# KiCad board I2CShimForPico-panel.kicad_pcb (continued)
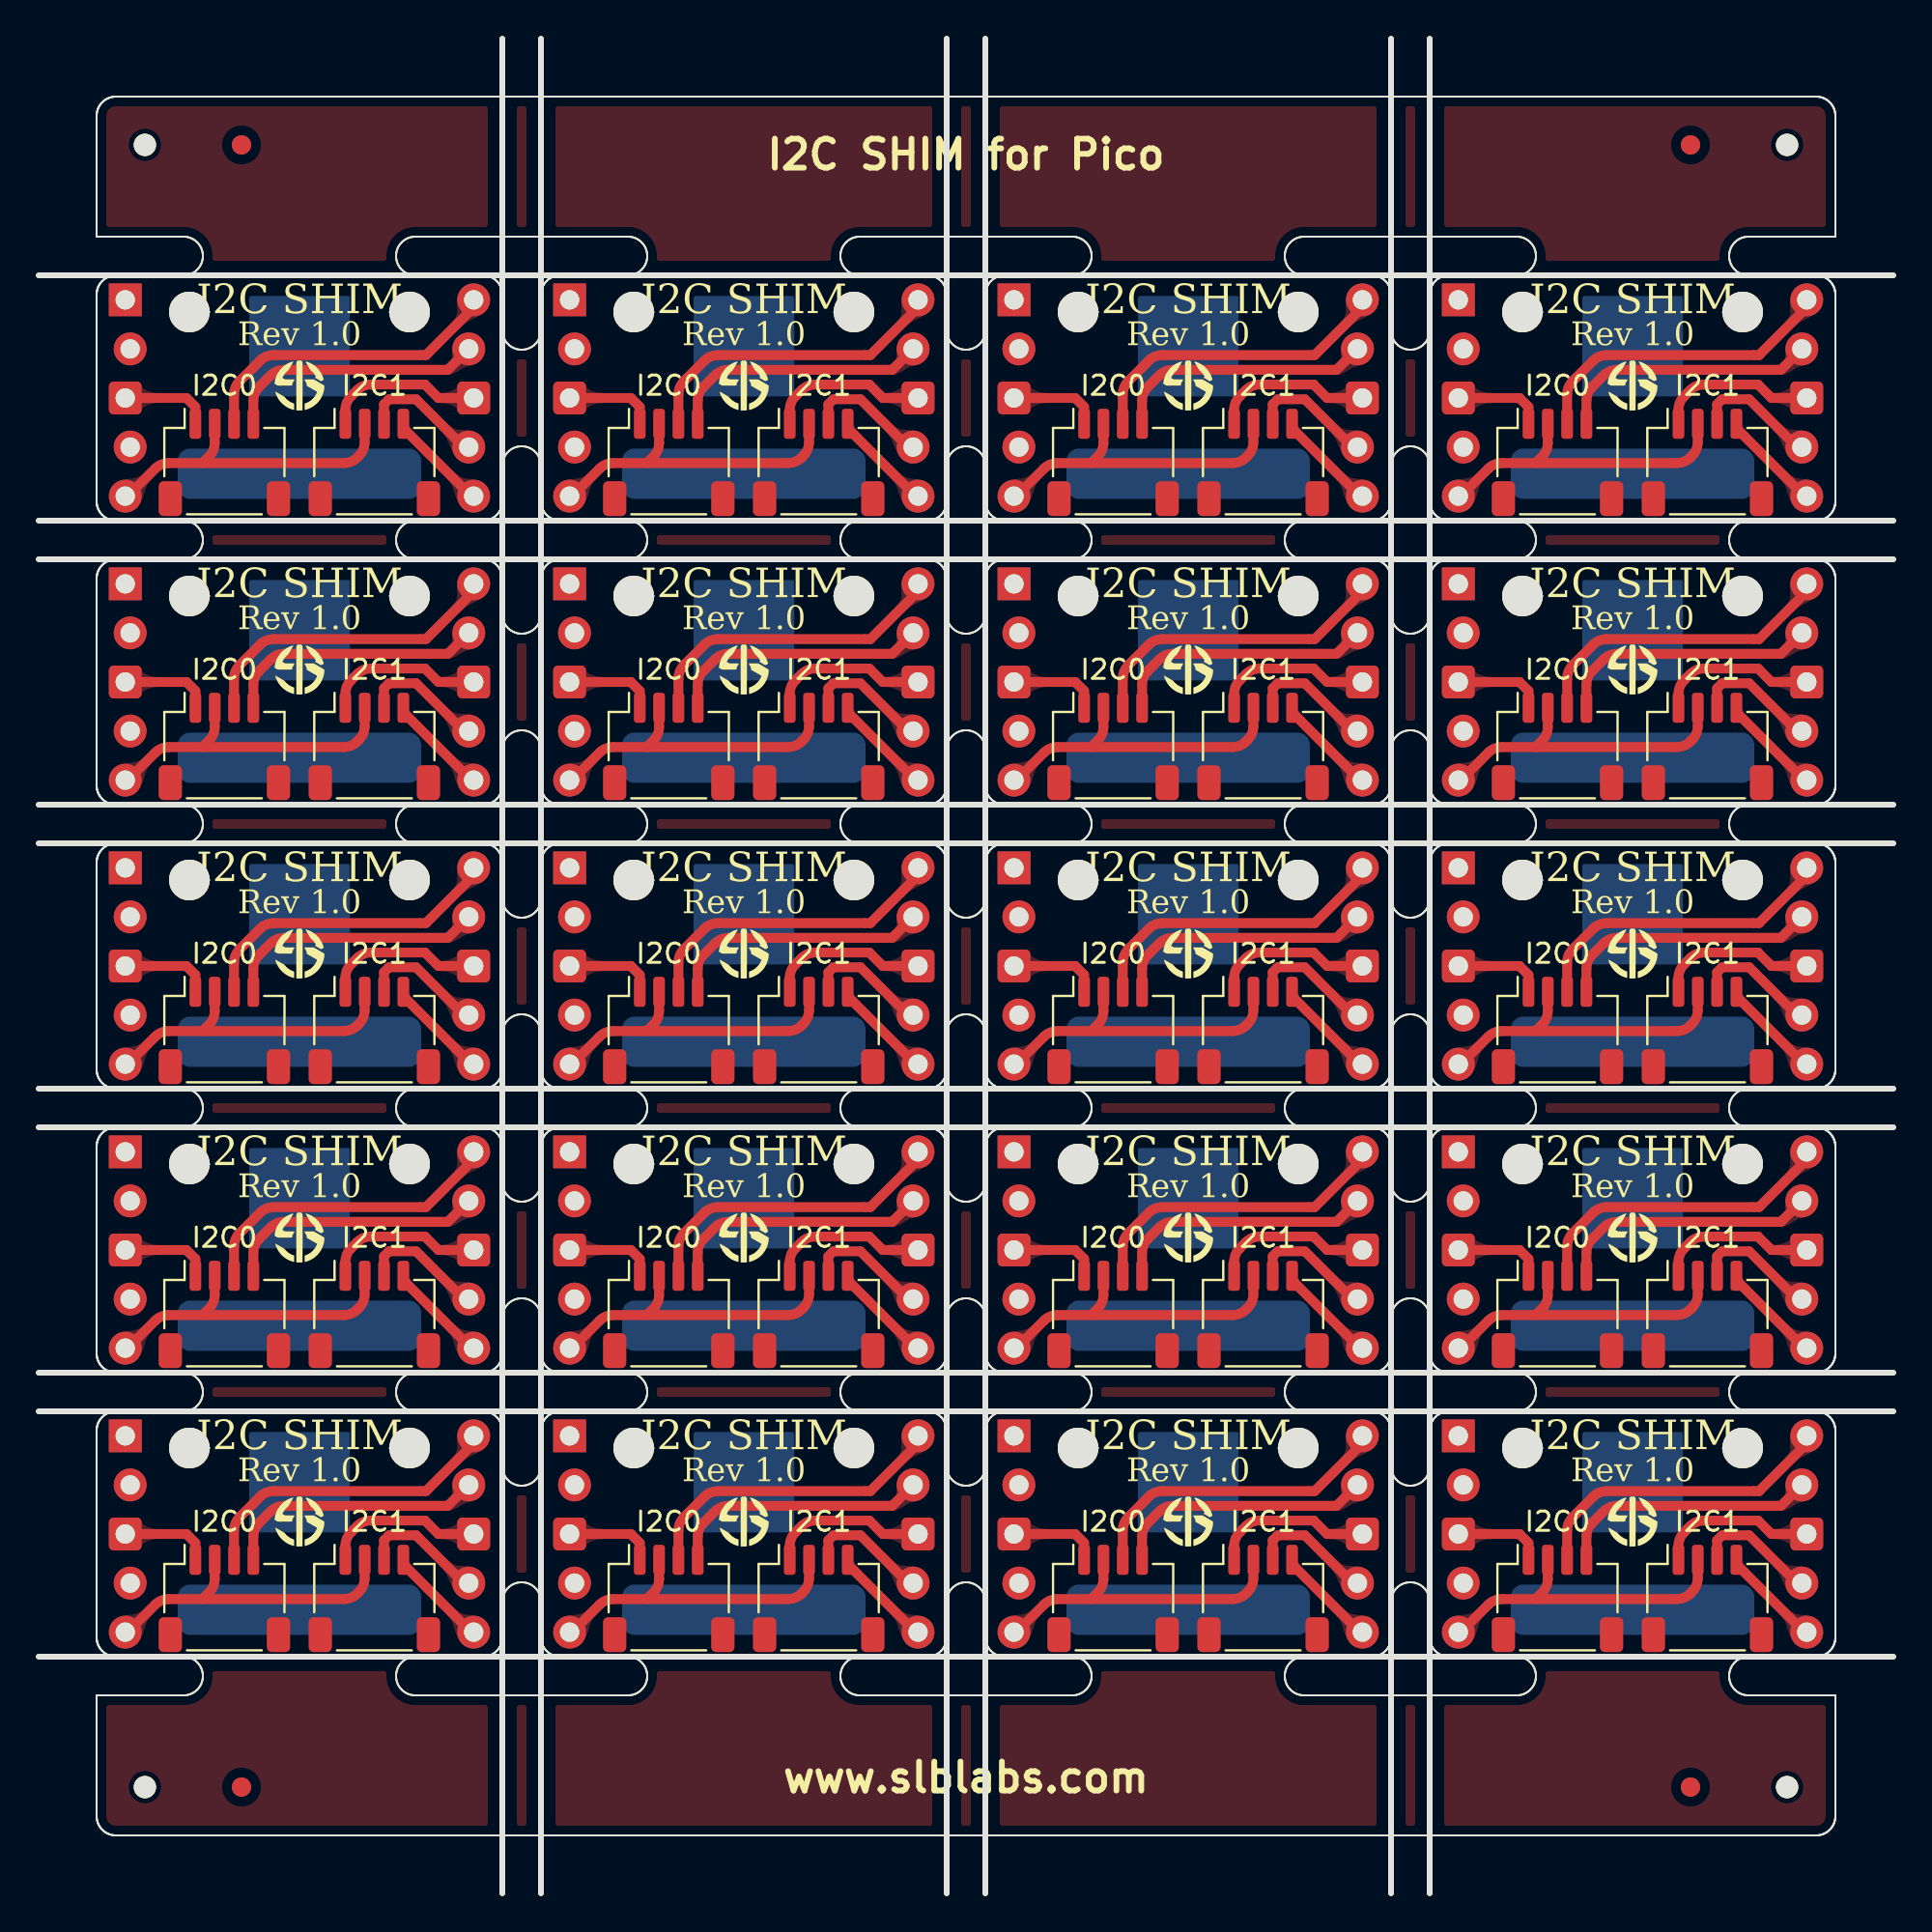
[diagram p0: board, top side]
## Nets (continued)
Board_12-unconnected-(J1-Pin_37-Pad37): J1#4.37
Board_12-VBUS: J1#4.40
Board_12-VSYS: J1#4.39
Board_13-3V3: J1#16.36 J3.2 J4#12.2
Board_13-GND: J1#16.38 J2#20.3 J3.1 J4#12.1
Board_13-I2C0+: J2#20.1 J3.3
Board_13-I2C0-: J2#20.2 J3.4
Board_13-I2C1+: J2#20.4 J4#12.3
Board_13-I2C1-: J2#20.5 J4#12.4
Board_13-unconnected-(J1-Pin_37-Pad37): J1#16.37
Board_13-VBUS: J1#16.40
Board_13-VSYS: J1#16.39
Board_14-3V3: J1#7.36 J3#10.2 J4#8.2
Board_14-GND: J1#7.38 J2#14.3 J3#10.1 J4#8.1
Board_14-I2C0+: J2#14.1 J3#10.3
Board_14-I2C0-: J2#14.2 J3#10.4
Board_14-I2C1+: J2#14.4 J4#8.3
Board_14-I2C1-: J2#14.5 J4#8.4
Board_14-unconnected-(J1-Pin_37-Pad37): J1#7.37
Board_14-VBUS: J1#7.40
Board_14-VSYS: J1#7.39
Board_15-3V3: J1#12.36 J3#13.2 J4#15.2
Board_15-GND: J1#12.38 J2.3 J3#13.1 J4#15.1
Board_15-I2C0+: J2.1 J3#13.3
Board_15-I2C0-: J2.2 J3#13.4
Board_15-I2C1+: J2.4 J4#15.3
Board_15-I2C1-: J2.5 J4#15.4
Board_15-unconnected-(J1-Pin_37-Pad37): J1#12.37
Board_15-VBUS: J1#12.40
Board_15-VSYS: J1#12.39
Board_16-3V3: J1#20.36 J3#14.2 J4#3.2
Board_16-GND: J1#20.38 J2#3.3 J3#14.1 J4#3.1
Board_16-I2C0+: J2#3.1 J3#14.3
Board_16-I2C0-: J2#3.2 J3#14.4
Board_16-I2C1+: J2#3.4 J4#3.3
Board_16-I2C1-: J2#3.5 J4#3.4
Board_16-unconnected-(J1-Pin_37-Pad37): J1#20.37
Board_16-VBUS: J1#20.40
Board_16-VSYS: J1#20.39
Board_17-3V3: J1#8.36 J3#19.2 J4#20.2
Board_17-GND: J1#8.38 J2#6.3 J3#19.1 J4#20.1
Board_17-I2C0+: J2#6.1 J3#19.3
Board_17-I2C0-: J2#6.2 J3#19.4
Board_17-I2C1+: J2#6.4 J4#20.3
Board_17-I2C1-: J2#6.5 J4#20.4
Board_17-unconnected-(J1-Pin_37-Pad37): J1#8.37
Board_17-VBUS: J1#8.40
Board_17-VSYS: J1#8.39
Board_18-3V3: J1#2.36 J3#7.2 J4#7.2
Board_18-GND: J1#2.38 J2#10.3 J3#7.1 J4#7.1
Board_18-I2C0+: J2#10.1 J3#7.3
Board_18-I2C0-: J2#10.2 J3#7.4
Board_18-I2C1+: J2#10.4 J4#7.3
Board_18-I2C1-: J2#10.5 J4#7.4
Board_18-unconnected-(J1-Pin_37-Pad37): J1#2.37
Board_18-VBUS: J1#2.40
Board_18-VSYS: J1#2.39
Board_19-3V3: J1#5.36 J3#2.2 J4#16.2
Board_19-GND: J1#5.38 J2#5.3 J3#2.1 J4#16.1
Board_19-I2C0+: J2#5.1 J3#2.3
Board_19-I2C0-: J2#5.2 J3#2.4
Board_19-I2C1+: J2#5.4 J4#16.3
Board_19-I2C1-: J2#5.5 J4#16.4
Board_19-unconnected-(J1-Pin_37-Pad37): J1#5.37
Board_19-VBUS: J1#5.40
Board_19-VSYS: J1#5.39

Pads without a net: J3 MP; J3#2 MP; J3#3 MP; J3#4 MP; J3#5 MP; J3#6 MP; J3#7 MP; J3#8 MP; J3#9 MP; J3#10 MP; J3#11 MP; J3#12 MP; J3#13 MP; J3#14 MP; J3#15 MP; J3#16 MP; J3#17 MP; J3#18 MP; J3#19 MP; J3#20 MP; J4 MP; J4#2 MP; J4#3 MP; J4#4 MP; J4#5 MP; J4#6 MP; J4#7 MP; J4#8 MP; J4#9 MP; J4#10 MP; J4#11 MP; J4#12 MP; J4#13 MP; J4#14 MP; J4#15 MP; J4#16 MP; J4#17 MP; J4#18 MP; J4#19 MP; J4#20 MP

## Routing (per net, layer and track width the routed paths; a pad name or vN(x,y) marks a point on that pad's centre or on a via; arc(x,y) is an arc through that point)
Board_0-3V3: length 16.9
  Top w0.508: 8.49,74.03 15.79,74.03 arc(16.17,74.11) 16.5,74.33 16.58,74.41 arc(16.8,74.74) 16.88,75.12 J4#9.2 ; 8.49,74.03 8.82,74.37 arc(9.04,74.69) 9.11,75.07 J3#4.2 ; 8.49,74.03 6.74,74.03 arc(6.35,73.96) 6.03,73.74 4.61,72.32 J1#14.36
Board_0-GND: length 13
  Top w0.508: J2#19.3 20.69,77.4 19.99,78.1 17.19,78.1 arc(16.81,78.02) 16.48,77.8 16.17,77.49 arc(15.95,77.16) 15.88,76.78 J4#9.1 ; J3#4.1 8.11,76.94 7.65,77.4 J1#14.38
Board_0-I2C0+: length 16.3
  Top w0.508: J2#19.1 22.52,82.09 20.05,79.62 12.16,79.62 arc(11.78,79.54) 11.46,79.33 10.41,78.28 arc(10.19,77.95) 10.11,77.57 J3#4.3
Board_0-I2C0-: length 13.6
  Top w0.508: J2#19.2 21.18,78.86 12.71,78.86 arc(12.33,78.78) 12,78.57 11.41,77.97 arc(11.19,77.64) 11.11,77.26 J3#4.4
Board_0-I2C1+: length 6.5
  Top w0.508: J2#19.4 22.01,74.86 19.53,77.33 18.14,77.33 17.88,77.07 J4#9.3
Board_0-I2C1-: length 5.5
  Top w0.508: J2#19.5 22.39,72.32 18.88,75.83 J4#9.4 ; 22.39,72.45 22.39,72.57
Board_1-3V3: length 16.9
  Top w0.508: J1#17.36 27.61,72.32 29.03,73.74 arc(29.35,73.96) 29.74,74.03 31.49,74.03 ; 31.49,74.03 38.79,74.03 arc(39.17,74.11) 39.5,74.33 39.58,74.41 arc(39.8,74.74) 39.88,75.12 J4#10.2 ; 31.49,74.03 31.82,74.37 arc(32.04,74.69) 32.11,75.07 J3#6.2
Board_1-GND: length 13
  Top w0.508: J2#16.3 43.69,77.4 42.99,78.1 40.19,78.1 arc(39.81,78.02) 39.48,77.8 39.17,77.49 arc(38.95,77.16) 38.88,76.78 J4#10.1 ; J1#17.38 30.65,77.4 31.11,76.94 J3#6.1
Board_1-I2C0+: length 16.3
  Top w0.508: J2#16.1 45.52,82.09 43.05,79.62 35.16,79.62 arc(34.78,79.54) 34.46,79.33 33.41,78.28 arc(33.19,77.95) 33.11,77.57 J3#6.3
Board_1-I2C0-: length 13.6
  Top w0.508: J2#16.2 44.18,78.86 35.71,78.86 arc(35.33,78.78) 35,78.57 34.41,77.97 arc(34.19,77.64) 34.11,77.26 J3#6.4
Board_1-I2C1+: length 6.5
  Top w0.508: J2#16.4 45.01,74.86 42.53,77.33 41.14,77.33 40.88,77.07 J4#10.3
Board_1-I2C1-: length 5.5
  Top w0.508: J4#10.4 41.88,75.83 45.39,72.32 J2#16.5 ; 45.39,72.45 45.39,72.57
Board_2-3V3: length 16.9
  Top w0.508: J4#18.2 62.88,75.12 arc(62.8,74.74) 62.58,74.41 62.5,74.33 arc(62.17,74.11) 61.79,74.03 54.49,74.03 ; 54.49,74.03 52.74,74.03 arc(52.35,73.96) 52.03,73.74 50.61,72.32 J1#6.36 ; 54.49,74.03 54.82,74.37 arc(55.04,74.69) 55.11,75.07 J3#15.2
Board_2-GND: length 13
  Top w0.508: J1#6.38 53.65,77.4 54.11,76.94 J3#15.1 ; J4#18.1 61.88,76.78 arc(61.95,77.16) 62.17,77.49 62.48,77.8 arc(62.81,78.02) 63.19,78.1 65.99,78.1 66.69,77.4 J2#12.3
Board_2-I2C0+: length 16.3
  Top w0.508: J3#15.3 56.11,77.57 arc(56.19,77.95) 56.41,78.28 57.46,79.33 arc(57.78,79.54) 58.16,79.62 66.05,79.62 68.52,82.09 J2#12.1
Board_2-I2C0-: length 13.6
  Top w0.508: J2#12.2 67.18,78.86 58.71,78.86 arc(58.33,78.78) 58,78.57 57.41,77.97 arc(57.19,77.64) 57.11,77.26 J3#15.4
Board_2-I2C1+: length 6.5
  Top w0.508: J4#18.3 63.88,77.07 64.14,77.33 65.53,77.33 68.01,74.86 J2#12.4
Board_2-I2C1-: length 5.5
  Top w0.508: J4#18.4 64.88,75.83 68.39,72.32 J2#12.5 ; 68.39,72.45 68.39,72.57
Board_3-3V3: length 16.9
  Top w0.508: 77.49,74.03 84.79,74.03 arc(85.17,74.11) 85.5,74.33 85.58,74.41 arc(85.8,74.74) 85.88,75.12 J4#6.2 ; 77.49,74.03 75.74,74.03 arc(75.35,73.96) 75.03,73.74 73.61,72.32 J1#11.36 ; 77.49,74.03 77.82,74.37 arc(78.04,74.69) 78.11,75.07 J3#3.2
Board_3-GND: length 13
  Top w0.508: J4#6.1 84.88,76.78 arc(84.95,77.16) 85.17,77.49 85.48,77.8 arc(85.81,78.02) 86.19,78.1 88.99,78.1 89.69,77.4 J2#17.3 ; J3#3.1 77.11,76.94 76.65,77.4 J1#11.38
Board_3-I2C0+: length 16.3
  Top w0.508: J3#3.3 79.11,77.57 arc(79.19,77.95) 79.41,78.28 80.46,79.33 arc(80.78,79.54) 81.16,79.62 89.05,79.62 91.52,82.09 J2#17.1
Board_3-I2C0-: length 13.6
  Top w0.508: 91.26,79.94 90.18,78.86 81.71,78.86 arc(81.33,78.78) 81,78.57 80.41,77.97 arc(80.19,77.64) 80.11,77.26 J3#3.4
Board_3-I2C1+: length 6.5
  Top w0.508: J4#6.3 86.88,77.07 87.14,77.33 88.53,77.33 91.01,74.86 91.26,74.86
Board_3-I2C1-: length 5.5
  Top w0.508: J4#6.4 87.88,75.83 91.39,72.32 J2#17.5 ; 91.39,72.45 91.39,72.57
Board_4-3V3: length 16.9
  Top w0.508: 8.49,59.33 8.82,59.67 arc(9.04,59.99) 9.11,60.37 J3#11.2 ; 8.49,59.33 15.79,59.33 arc(16.17,59.41) 16.5,59.63 16.58,59.71 arc(16.8,60.04) 16.88,60.42 J4#17.2 ; 8.49,59.33 6.74,59.33 arc(6.35,59.26) 6.03,59.04 4.61,57.62 J1#9.36
Board_4-GND: length 13
  Top w0.508: J1#9.38 7.65,62.7 8.11,62.24 J3#11.1 ; J4#17.1 15.88,62.08 arc(15.95,62.46) 16.17,62.79 16.48,63.1 arc(16.81,63.32) 17.19,63.4 19.99,63.4 20.69,62.7 J2#9.3
Board_4-I2C0+: length 16.3
  Top w0.508: J3#11.3 10.11,62.87 arc(10.19,63.25) 10.41,63.58 11.46,64.63 arc(11.78,64.84) 12.16,64.92 20.05,64.92 22.52,67.39 J2#9.1
Board_4-I2C0-: length 13.6
  Top w0.508: J3#11.4 11.11,62.56 arc(11.19,62.94) 11.41,63.27 12,63.87 arc(12.33,64.08) 12.71,64.16 21.18,64.16 J2#9.2
Board_4-I2C1+: length 6.5
  Top w0.508: J2#9.4 22.01,60.16 19.53,62.63 18.14,62.63 17.88,62.37 J4#17.3
Board_4-I2C1-: length 5.5
  Top w0.508: J4#17.4 18.88,61.13 22.39,57.62 J2#9.5 ; 22.39,57.75 22.39,57.87
Board_5-3V3: length 16.9
  Top w0.508: J4#11.2 39.88,60.42 arc(39.8,60.04) 39.58,59.71 39.5,59.63 arc(39.17,59.41) 38.79,59.33 31.49,59.33 ; J1#10.36 27.61,57.62 29.03,59.04 arc(29.35,59.26) 29.74,59.33 31.49,59.33 ; 31.49,59.33 31.82,59.67 arc(32.04,59.99) 32.11,60.37 J3#16.2
Board_5-GND: length 13
  Top w0.508: J4#11.1 38.88,62.08 arc(38.95,62.46) 39.17,62.79 39.48,63.1 arc(39.81,63.32) 40.19,63.4 42.99,63.4 43.69,62.7 J2#2.3 ; J1#10.38 30.65,62.7 31.11,62.24 J3#16.1
Board_5-I2C0+: length 16.3
  Top w0.508: J2#2.1 45.52,67.39 43.05,64.92 35.16,64.92 arc(34.78,64.84) 34.46,64.63 33.41,63.58 arc(33.19,63.25) 33.11,62.87 J3#16.3
Board_5-I2C0-: length 13.6
  Top w0.508: J2#2.2 44.18,64.16 35.71,64.16 arc(35.33,64.08) 35,63.87 34.41,63.27 arc(34.19,62.94) 34.11,62.56 J3#16.4
Board_5-I2C1+: length 6.5
  Top w0.508: J4#11.3 40.88,62.37 41.14,62.63 42.53,62.63 45.01,60.16 J2#2.4
Board_5-I2C1-: length 5.5
  Top w0.508: 45.39,57.75 45.39,57.87 ; J2#2.5 45.39,57.62 41.88,61.13 J4#11.4
Board_6-3V3: length 16.9
  Top w0.508: J1.36 50.61,57.62 52.03,59.04 arc(52.35,59.26) 52.74,59.33 54.49,59.33 ; 54.49,59.33 54.82,59.67 arc(55.04,59.99) 55.11,60.37 J3#5.2 ; 54.49,59.33 61.79,59.33 arc(62.17,59.41) 62.5,59.63 62.58,59.71 arc(62.8,60.04) 62.88,60.42 J4#13.2
Board_6-GND: length 13
  Top w0.508: J3#5.1 54.11,62.24 53.65,62.7 J1.38 ; J4#13.1 61.88,62.08 arc(61.95,62.46) 62.17,62.79 62.48,63.1 arc(62.81,63.32) 63.19,63.4 65.99,63.4 66.69,62.7 J2#15.3
Board_6-I2C0+: length 16.3
  Top w0.508: J3#5.3 56.11,62.87 arc(56.19,63.25) 56.41,63.58 57.46,64.63 arc(57.78,64.84) 58.16,64.92 66.05,64.92 68.52,67.39 J2#15.1
Board_6-I2C0-: length 13.6
  Top w0.508: J3#5.4 57.11,62.56 arc(57.19,62.94) 57.41,63.27 58,63.87 arc(58.33,64.08) 58.71,64.16 67.18,64.16 J2#15.2
Board_6-I2C1+: length 6.5
  Top w0.508: J4#13.3 63.88,62.37 64.14,62.63 65.53,62.63 68.01,60.16 J2#15.4
Board_6-I2C1-: length 5.5
  Top w0.508: 68.39,57.75 68.39,57.87 ; J4#13.4 64.88,61.13 68.39,57.62 J2#15.5
Board_7-3V3: length 16.9
  Top w0.508: 77.49,59.33 75.74,59.33 arc(75.35,59.26) 75.03,59.04 73.61,57.62 J1#15.36 ; 77.49,59.33 77.82,59.67 arc(78.04,59.99) 78.11,60.37 J3#12.2 ; 77.49,59.33 84.79,59.33 arc(85.17,59.41) 85.5,59.63 85.58,59.71 arc(85.8,60.04) 85.88,60.42 J4#5.2
Board_7-GND: length 13
  Top w0.508: J3#12.1 77.11,62.24 76.65,62.7 J1#15.38 ; J2#4.3 89.69,62.7 88.99,63.4 86.19,63.4 arc(85.81,63.32) 85.48,63.1 85.17,62.79 arc(84.95,62.46) 84.88,62.08 J4#5.1
Board_7-I2C0+: length 16.3
  Top w0.508: J2#4.1 91.52,67.39 89.05,64.92 81.16,64.92 arc(80.78,64.84) 80.46,64.63 79.41,63.58 arc(79.19,63.25) 79.11,62.87 J3#12.3
Board_7-I2C0-: length 13.6
  Top w0.508: 91.26,65.24 90.18,64.16 81.71,64.16 arc(81.33,64.08) 81,63.87 80.41,63.27 arc(80.19,62.94) 80.11,62.56 J3#12.4
Board_7-I2C1+: length 6.5
  Top w0.508: 91.26,60.16 91.01,60.16 88.53,62.63 87.14,62.63 86.88,62.37 J4#5.3
Board_7-I2C1-: length 5.5
  Top w0.508: J2#4.5 91.39,57.62 87.88,61.13 J4#5.4 ; 91.39,57.75 91.39,57.87
Board_8-3V3: length 16.9
  Top w0.508: J1#3.36 4.61,42.92 6.03,44.34 arc(6.35,44.56) 6.74,44.63 8.49,44.63 ; J4#4.2 16.88,45.72 arc(16.8,45.34) 16.58,45.01 16.5,44.93 arc(16.17,44.71) 15.79,44.63 8.49,44.63 ; 8.49,44.63 8.82,44.97 arc(9.04,45.29) 9.11,45.67 J3#17.2
Board_8-GND: length 13
  Top w0.508: J1#3.38 7.65,48 8.11,47.54 J3#17.1 ; J2#8.3 20.69,48 19.99,48.7 17.19,48.7 arc(16.81,48.62) 16.48,48.4 16.17,48.09 arc(15.95,47.76) 15.88,47.38 J4#4.1
Board_8-I2C0+: length 16.3
  Top w0.508: J3#17.3 10.11,48.17 arc(10.19,48.55) 10.41,48.88 11.46,49.93 arc(11.78,50.14) 12.16,50.22 20.05,50.22 22.52,52.69 J2#8.1
Board_8-I2C0-: length 13.6
  Top w0.508: J2#8.2 21.18,49.46 12.71,49.46 arc(12.33,49.38) 12,49.17 11.41,48.57 arc(11.19,48.24) 11.11,47.86 J3#17.4
Board_8-I2C1+: length 6.5
  Top w0.508: J2#8.4 22.01,45.46 19.53,47.93 18.14,47.93 17.88,47.67 J4#4.3
Board_8-I2C1-: length 5.5
  Top w0.508: 22.39,43.05 22.39,43.17 ; J4#4.4 18.88,46.43 22.39,42.92 J2#8.5
Board_9-3V3: length 16.9
  Top w0.508: J3#18.2 32.11,45.67 arc(32.04,45.29) 31.82,44.97 31.49,44.63 ; J1#13.36 27.61,42.92 29.03,44.34 arc(29.35,44.56) 29.74,44.63 31.49,44.63 ; J4#19.2 39.88,45.72 arc(39.8,45.34) 39.58,45.01 39.5,44.93 arc(39.17,44.71) 38.79,44.63 31.49,44.63
Board_9-GND: length 13
  Top w0.508: J1#13.38 30.65,48 31.11,47.54 J3#18.1 ; J2#11.3 43.69,48 42.99,48.7 40.19,48.7 arc(39.81,48.62) 39.48,48.4 39.17,48.09 arc(38.95,47.76) 38.88,47.38 J4#19.1
Board_9-I2C0+: length 16.3
  Top w0.508: J2#11.1 45.52,52.69 43.05,50.22 35.16,50.22 arc(34.78,50.14) 34.46,49.93 33.41,48.88 arc(33.19,48.55) 33.11,48.17 J3#18.3
Board_9-I2C0-: length 13.6
  Top w0.508: J2#11.2 44.18,49.46 35.71,49.46 arc(35.33,49.38) 35,49.17 34.41,48.57 arc(34.19,48.24) 34.11,47.86 J3#18.4
Board_9-I2C1+: length 6.5
  Top w0.508: J2#11.4 45.01,45.46 42.53,47.93 41.14,47.93 40.88,47.67 J4#19.3
Board_9-I2C1-: length 5.5
  Top w0.508: J4#19.4 41.88,46.43 45.39,42.92 J2#11.5 ; 45.39,43.05 45.39,43.17
Board_10-3V3: length 16.9
  Top w0.508: J4#2.2 62.88,45.72 arc(62.8,45.34) 62.58,45.01 62.5,44.93 arc(62.17,44.71) 61.79,44.63 54.49,44.63 ; J3#9.2 55.11,45.67 arc(55.04,45.29) 54.82,44.97 54.49,44.63 ; J1#18.36 50.61,42.92 52.03,44.34 arc(52.35,44.56) 52.74,44.63 54.49,44.63
Board_10-GND: length 13
  Top w0.508: J1#18.38 53.65,48 54.11,47.54 J3#9.1 ; J2#13.3 66.69,48 65.99,48.7 63.19,48.7 arc(62.81,48.62) 62.48,48.4 62.17,48.09 arc(61.95,47.76) 61.88,47.38 J4#2.1
Board_10-I2C0+: length 16.3
  Top w0.508: J3#9.3 56.11,48.17 arc(56.19,48.55) 56.41,48.88 57.46,49.93 arc(57.78,50.14) 58.16,50.22 66.05,50.22 68.52,52.69 J2#13.1
Board_10-I2C0-: length 13.6
  Top w0.508: J2#13.2 67.18,49.46 58.71,49.46 arc(58.33,49.38) 58,49.17 57.41,48.57 arc(57.19,48.24) 57.11,47.86 J3#9.4
Board_10-I2C1+: length 6.5
  Top w0.508: J2#13.4 68.01,45.46 65.53,47.93 64.14,47.93 63.88,47.67 J4#2.3
Board_10-I2C1-: length 5.5
  Top w0.508: J4#2.4 64.88,46.43 68.39,42.92 J2#13.5 ; 68.39,43.05 68.39,43.17
Board_11-3V3: length 16.9
  Top w0.508: 77.49,44.63 75.74,44.63 arc(75.35,44.56) 75.03,44.34 73.61,42.92 J1#19.36 ; 77.49,44.63 77.82,44.97 arc(78.04,45.29) 78.11,45.67 J3#20.2 ; 77.49,44.63 84.79,44.63 arc(85.17,44.71) 85.5,44.93 85.58,45.01 arc(85.8,45.34) 85.88,45.72 J4.2
Board_11-GND: length 13
  Top w0.508: J2#18.3 89.69,48 88.99,48.7 86.19,48.7 arc(85.81,48.62) 85.48,48.4 85.17,48.09 arc(84.95,47.76) 84.88,47.38 J4.1 ; J3#20.1 77.11,47.54 76.65,48 J1#19.38
Board_11-I2C0+: length 16.3
  Top w0.508: J3#20.3 79.11,48.17 arc(79.19,48.55) 79.41,48.88 80.46,49.93 arc(80.78,50.14) 81.16,50.22 89.05,50.22 91.52,52.69 J2#18.1
Board_11-I2C0-: length 13.6
  Top w0.508: 91.26,50.54 90.18,49.46 81.71,49.46 arc(81.33,49.38) 81,49.17 80.41,48.57 arc(80.19,48.24) 80.11,47.86 J3#20.4
Board_11-I2C1+: length 6.5
  Top w0.508: J4.3 86.88,47.67 87.14,47.93 88.53,47.93 91.01,45.46 91.26,45.46
Board_11-I2C1-: length 5.5
  Top w0.508: J2#18.5 91.39,42.92 87.88,46.43 J4.4 ; 91.39,43.05 91.39,43.17
Board_12-3V3: length 16.9
  Top w0.508: 8.49,29.93 15.79,29.93 arc(16.17,30.01) 16.5,30.23 16.58,30.31 arc(16.8,30.64) 16.88,31.02 J4#14.2 ; 8.49,29.93 8.82,30.27 arc(9.04,30.59) 9.11,30.97 J3#8.2 ; 8.49,29.93 6.74,29.93 arc(6.35,29.86) 6.03,29.64 4.61,28.22 J1#4.36
Board_12-GND: length 13
  Top w0.508: J1#4.38 7.65,33.3 8.11,32.84 J3#8.1 ; J4#14.1 15.88,32.68 arc(15.95,33.06) 16.17,33.39 16.48,33.7 arc(16.81,33.92) 17.19,34 19.99,34 20.69,33.3 J2#7.3
Board_12-I2C0+: length 16.3
  Top w0.508: J3#8.3 10.11,33.47 arc(10.19,33.85) 10.41,34.18 11.46,35.23 arc(11.78,35.44) 12.16,35.52 20.05,35.52 22.52,37.99 J2#7.1
Board_12-I2C0-: length 13.6
  Top w0.508: J3#8.4 11.11,33.16 arc(11.19,33.54) 11.41,33.87 12,34.47 arc(12.33,34.68) 12.71,34.76 21.18,34.76 J2#7.2
Board_12-I2C1+: length 6.5
  Top w0.508: J2#7.4 22.01,30.76 19.53,33.23 18.14,33.23 17.88,32.97 J4#14.3
Board_12-I2C1-: length 5.5
  Top w0.508: J2#7.5 22.39,28.22 18.88,31.73 J4#14.4 ; 22.39,28.35 22.39,28.47
Board_13-3V3: length 16.9
  Top w0.508: 31.49,29.93 38.79,29.93 arc(39.17,30.01) 39.5,30.23 39.58,30.31 arc(39.8,30.64) 39.88,31.02 J4#12.2 ; 31.49,29.93 31.82,30.27 arc(32.04,30.59) 32.11,30.97 J3.2 ; 31.49,29.93 29.74,29.93 arc(29.35,29.86) 29.03,29.64 27.61,28.22 J1#16.36
Board_13-GND: length 13
  Top w0.508: J2#20.3 43.69,33.3 42.99,34 40.19,34 arc(39.81,33.92) 39.48,33.7 39.17,33.39 arc(38.95,33.06) 38.88,32.68 J4#12.1 ; J1#16.38 30.65,33.3 31.11,32.84 J3.1
Board_13-I2C0+: length 16.3
  Top w0.508: J3.3 33.11,33.47 arc(33.19,33.85) 33.41,34.18 34.46,35.23 arc(34.78,35.44) 35.16,35.52 43.05,35.52 45.52,37.99 J2#20.1
Board_13-I2C0-: length 13.6
  Top w0.508: J2#20.2 44.18,34.76 35.71,34.76 arc(35.33,34.68) 35,34.47 34.41,33.87 arc(34.19,33.54) 34.11,33.16 J3.4
Board_13-I2C1+: length 6.5
  Top w0.508: J2#20.4 45.01,30.76 42.53,33.23 41.14,33.23 40.88,32.97 J4#12.3
Board_13-I2C1-: length 5.5
  Top w0.508: J4#12.4 41.88,31.73 45.39,28.22 J2#20.5 ; 45.39,28.35 45.39,28.47
Board_14-3V3: length 16.9
  Top w0.508: 54.49,29.93 52.74,29.93 arc(52.35,29.86) 52.03,29.64 50.61,28.22 J1#7.36 ; 54.49,29.93 54.82,30.27 arc(55.04,30.59) 55.11,30.97 J3#10.2 ; 54.49,29.93 61.79,29.93 arc(62.17,30.01) 62.5,30.23 62.58,30.31 arc(62.8,30.64) 62.88,31.02 J4#8.2
Board_14-GND: length 13
  Top w0.508: J4#8.1 61.88,32.68 arc(61.95,33.06) 62.17,33.39 62.48,33.7 arc(62.81,33.92) 63.19,34 65.99,34 66.69,33.3 J2#14.3 ; J3#10.1 54.11,32.84 53.65,33.3 J1#7.38
Board_14-I2C0+: length 16.3
  Top w0.508: J3#10.3 56.11,33.47 arc(56.19,33.85) 56.41,34.18 57.46,35.23 arc(57.78,35.44) 58.16,35.52 66.05,35.52 68.52,37.99 J2#14.1
Board_14-I2C0-: length 13.6
  Top w0.508: J3#10.4 57.11,33.16 arc(57.19,33.54) 57.41,33.87 58,34.47 arc(58.33,34.68) 58.71,34.76 67.18,34.76 J2#14.2
Board_14-I2C1+: length 6.5
  Top w0.508: J4#8.3 63.88,32.97 64.14,33.23 65.53,33.23 68.01,30.76 J2#14.4
Board_14-I2C1-: length 5.5
  Top w0.508: 68.39,28.35 68.39,28.47 ; J2#14.5 68.39,28.22 64.88,31.73 J4#8.4
Board_15-3V3: length 16.9
  Top w0.508: J4#15.2 85.88,31.02 arc(85.8,30.64) 85.58,30.31 85.5,30.23 arc(85.17,30.01) 84.79,29.93 77.49,29.93 ; J1#12.36 73.61,28.22 75.03,29.64 arc(75.35,29.86) 75.74,29.93 77.49,29.93 ; 77.49,29.93 77.82,30.27 arc(78.04,30.59) 78.11,30.97 J3#13.2
Board_15-GND: length 13
  Top w0.508: J1#12.38 76.65,33.3 77.11,32.84 J3#13.1 ; J2.3 89.69,33.3 88.99,34 86.19,34 arc(85.81,33.92) 85.48,33.7 85.17,33.39 arc(84.95,33.06) 84.88,32.68 J4#15.1
Board_15-I2C0+: length 16.3
  Top w0.508: J2.1 91.52,37.99 89.05,35.52 81.16,35.52 arc(80.78,35.44) 80.46,35.23 79.41,34.18 arc(79.19,33.85) 79.11,33.47 J3#13.3
Board_15-I2C0-: length 13.6
  Top w0.508: J3#13.4 80.11,33.16 arc(80.19,33.54) 80.41,33.87 81,34.47 arc(81.33,34.68) 81.71,34.76 90.18,34.76 91.26,35.84
Board_15-I2C1+: length 6.5
  Top w0.508: J4#15.3 86.88,32.97 87.14,33.23 88.53,33.23 91.01,30.76 91.26,30.76
Board_15-I2C1-: length 5.5
  Top w0.508: J2.5 91.39,28.22 87.88,31.73 J4#15.4 ; 91.39,28.35 91.39,28.47
Board_16-3V3: length 16.9
  Top w0.508: 8.49,15.23 15.79,15.23 arc(16.17,15.31) 16.5,15.53 16.58,15.61 arc(16.8,15.94) 16.88,16.32 J4#3.2 ; 8.49,15.23 6.74,15.23 arc(6.35,15.16) 6.03,14.94 4.61,13.52 J1#20.36 ; 8.49,15.23 8.82,15.57 arc(9.04,15.89) 9.11,16.27 J3#14.2
Board_16-GND: length 13
  Top w0.508: J1#20.38 7.65,18.6 8.11,18.14 J3#14.1 ; J4#3.1 15.88,17.98 arc(15.95,18.36) 16.17,18.69 16.48,19 arc(16.81,19.22) 17.19,19.3 19.99,19.3 20.69,18.6 J2#3.3
Board_16-I2C0+: length 16.3
  Top w0.508: J2#3.1 22.52,23.29 20.05,20.82 12.16,20.82 arc(11.78,20.74) 11.46,20.53 10.41,19.48 arc(10.19,19.15) 10.11,18.77 J3#14.3
Board_16-I2C0-: length 13.6
  Top w0.508: J2#3.2 21.18,20.06 12.71,20.06 arc(12.33,19.98) 12,19.77 11.41,19.17 arc(11.19,18.84) 11.11,18.46 J3#14.4
Board_16-I2C1+: length 6.5
  Top w0.508: J4#3.3 17.88,18.27 18.14,18.53 19.53,18.53 22.01,16.06 J2#3.4
Board_16-I2C1-: length 5.5
  Top w0.508: J2#3.5 22.39,13.52 18.88,17.03 J4#3.4 ; 22.39,13.65 22.39,13.77
Board_17-3V3: length 16.9
  Top w0.508: 31.49,15.23 29.74,15.23 arc(29.35,15.16) 29.03,14.94 27.61,13.52 J1#8.36 ; 31.49,15.23 38.79,15.23 arc(39.17,15.31) 39.5,15.53 39.58,15.61 arc(39.8,15.94) 39.88,16.32 J4#20.2 ; 31.49,15.23 31.82,15.57 arc(32.04,15.89) 32.11,16.27 J3#19.2
Board_17-GND: length 13
  Top w0.508: J1#8.38 30.65,18.6 31.11,18.14 J3#19.1 ; J4#20.1 38.88,17.98 arc(38.95,18.36) 39.17,18.69 39.48,19 arc(39.81,19.22) 40.19,19.3 42.99,19.3 43.69,18.6 J2#6.3
Board_17-I2C0+: length 16.3
  Top w0.508: J2#6.1 45.52,23.29 43.05,20.82 35.16,20.82 arc(34.78,20.74) 34.46,20.53 33.41,19.48 arc(33.19,19.15) 33.11,18.77 J3#19.3
Board_17-I2C0-: length 13.6
  Top w0.508: J2#6.2 44.18,20.06 35.71,20.06 arc(35.33,19.98) 35,19.77 34.41,19.17 arc(34.19,18.84) 34.11,18.46 J3#19.4
Board_17-I2C1+: length 6.5
  Top w0.508: J2#6.4 45.01,16.06 42.53,18.53 41.14,18.53 40.88,18.27 J4#20.3
Board_17-I2C1-: length 5.5
  Top w0.508: J4#20.4 41.88,17.03 45.39,13.52 J2#6.5 ; 45.39,13.65 45.39,13.77
Board_18-3V3: length 16.9
  Top w0.508: J4#7.2 62.88,16.32 arc(62.8,15.94) 62.58,15.61 62.5,15.53 arc(62.17,15.31) 61.79,15.23 54.49,15.23 ; 54.49,15.23 52.74,15.23 arc(52.35,15.16) 52.03,14.94 50.61,13.52 J1#2.36 ; 54.49,15.23 54.82,15.57 arc(55.04,15.89) 55.11,16.27 J3#7.2
Board_18-GND: length 13
  Top w0.508: J2#10.3 66.69,18.6 65.99,19.3 63.19,19.3 arc(62.81,19.22) 62.48,19 62.17,18.69 arc(61.95,18.36) 61.88,17.98 J4#7.1 ; J1#2.38 53.65,18.6 54.11,18.14 J3#7.1
Board_18-I2C0+: length 16.3
  Top w0.508: J3#7.3 56.11,18.77 arc(56.19,19.15) 56.41,19.48 57.46,20.53 arc(57.78,20.74) 58.16,20.82 66.05,20.82 68.52,23.29 J2#10.1
Board_18-I2C0-: length 13.6
  Top w0.508: J2#10.2 67.18,20.06 58.71,20.06 arc(58.33,19.98) 58,19.77 57.41,19.17 arc(57.19,18.84) 57.11,18.46 J3#7.4
Board_18-I2C1+: length 6.5
  Top w0.508: J4#7.3 63.88,18.27 64.14,18.53 65.53,18.53 68.01,16.06 J2#10.4
Board_18-I2C1-: length 5.5
  Top w0.508: J2#10.5 68.39,13.52 64.88,17.03 J4#7.4 ; 68.39,13.65 68.39,13.77
Board_19-3V3: length 16.9
  Top w0.508: J3#2.2 78.11,16.27 arc(78.04,15.89) 77.82,15.57 77.49,15.23 ; J1#5.36 73.61,13.52 75.03,14.94 arc(75.35,15.16) 75.74,15.23 77.49,15.23 ; 77.49,15.23 84.79,15.23 arc(85.17,15.31) 85.5,15.53 85.58,15.61 arc(85.8,15.94) 85.88,16.32 J4#16.2
Board_19-GND: length 13
  Top w0.508: J1#5.38 76.65,18.6 77.11,18.14 J3#2.1 ; J2#5.3 89.69,18.6 88.99,19.3 86.19,19.3 arc(85.81,19.22) 85.48,19 85.17,18.69 arc(84.95,18.36) 84.88,17.98 J4#16.1
Board_19-I2C0+: length 16.3
  Top w0.508: J2#5.1 91.52,23.29 89.05,20.82 81.16,20.82 arc(80.78,20.74) 80.46,20.53 79.41,19.48 arc(79.19,19.15) 79.11,18.77 J3#2.3
Board_19-I2C0-: length 13.6
  Top w0.508: 91.26,21.14 90.18,20.06 81.71,20.06 arc(81.33,19.98) 81,19.77 80.41,19.17 arc(80.19,18.84) 80.11,18.46 J3#2.4
Board_19-I2C1+: length 6.5
  Top w0.508: 91.26,16.06 91.01,16.06 88.53,18.53 87.14,18.53 86.88,18.27 J4#16.3
Board_19-I2C1-: length 5.5
  Top w0.508: J4#16.4 87.88,17.03 91.39,13.52 J2#5.5 ; 91.39,13.65 91.39,13.77

## Copper pours and planes (outline as drawn; the poured copper is in the pictures)
(no net) on Top: 48.5,60.61 48.5,64.79 47.5,64.79 47.5,60.61
(no net) on Top: 7.5,9.75 3.5,9.75 3.5,4.02 3.5,3.95 3.51,3.9 3.52,3.86 3.54,3.81 3.56,3.76 3.58,3.72 3.61,3.68 3.65,3.65 3.68,3.61 3.72,3.58 3.76,3.56 3.81,3.54 3.86,3.52 3.9,3.51 3.95,3.5 4.02,3.5 91.98,3.5 92.05,3.5 92.1,3.51 92.14,3.52 92.19,3.54 92.24,3.56 92.28,3.58 92.32,3.61 92.35,3.65 92.39,3.68 92.42,3.72 92.44,3.76 92.46,3.81 92.48,3.86 92.49,3.9 92.5,3.95 92.5,4.02 92.5,9.75 88.5,9.75 87.09,11.75 77.91,11.75 76.5,9.75 65.5,9.75 64.09,11.75 54.91,11.75 53.5,9.75 42.5,9.75 41.09,11.75 31.91,11.75 30.5,9.75 19.5,9.75 18.09,11.75 8.91,11.75
(no net) on Top: 8.91,40.15 18.09,40.15 18.09,41.15 8.91,41.15
(no net) on Top: 64.09,41.15 54.91,41.15 54.91,40.15 64.09,40.15
(no net) on Top: 41.09,70.55 31.91,70.55 31.91,69.55 41.09,69.55
(no net) on Top: 24.5,20.69 24.5,16.51 25.5,16.51 25.5,20.69
(no net) on Top: 87.09,55.85 77.91,55.85 77.91,54.85 87.09,54.85
(no net) on Top: 70.5,20.69 70.5,16.51 71.5,16.51 71.5,20.69
(no net) on Top: 41.09,55.85 31.91,55.85 31.91,54.85 41.09,54.85
(no net) on Top: 8.91,54.85 18.09,54.85 18.09,55.85 8.91,55.85
(no net) on Top: 64.09,70.55 54.91,70.55 54.91,69.55 64.09,69.55
(no net) on Top: 8.91,25.45 18.09,25.45 18.09,26.45 8.91,26.45
(no net) on Top: 87.09,70.55 77.91,70.55 77.91,69.55 87.09,69.55
(no net) on Top: 47.5,50.09 47.5,45.91 48.5,45.91 48.5,50.09
(no net) on Top: 71.5,45.91 71.5,50.09 70.5,50.09 70.5,45.91
(no net) on Top: 87.09,26.45 77.91,26.45 77.91,25.45 87.09,25.45
(no net) on Top: 47.5,20.69 47.5,16.51 48.5,16.51 48.5,20.69
(no net) on Top: 70.5,64.79 70.5,60.61 71.5,60.61 71.5,64.79
(no net) on Top: 47.5,79.49 47.5,75.31 48.5,75.31 48.5,79.49
(no net) on Top: 41.09,26.45 31.91,26.45 31.91,25.45 41.09,25.45
(no net) on Top: 25.5,60.61 25.5,64.79 24.5,64.79 24.5,60.61
(no net) on Top: 25.5,31.21 25.5,35.39 24.5,35.39 24.5,31.21
(no net) on Top: 24.5,79.49 24.5,75.31 25.5,75.31 25.5,79.49
(no net) on Top: 64.09,26.45 54.91,26.45 54.91,25.45 64.09,25.45
(no net) on Top: 71.5,31.21 71.5,35.39 70.5,35.39 70.5,31.21
(no net) on Top: 8.91,69.55 18.09,69.55 18.09,70.55 8.91,70.55
(no net) on Top: 7.5,86.25 8.91,84.25 18.09,84.25 19.5,86.25 30.5,86.25 31.91,84.25 41.09,84.25 42.5,86.25 53.5,86.25 54.91,84.25 64.09,84.25 65.5,86.25 76.5,86.25 77.91,84.25 87.09,84.25 88.5,86.25 92.5,86.25 92.5,91.98 92.5,92.05 92.49,92.1 92.48,92.14 92.46,92.19 92.44,92.24 92.42,92.28 92.39,92.32 92.35,92.35 92.32,92.39 92.28,92.42 92.24,92.44 92.19,92.46 92.14,92.48 92.1,92.49 92.05,92.5 91.98,92.5 4.02,92.5 3.95,92.5 3.9,92.49 3.86,92.48 3.81,92.46 3.76,92.44 3.72,92.42 3.68,92.39 3.65,92.35 3.61,92.32 3.58,92.28 3.56,92.24 3.54,92.19 3.52,92.14 3.51,92.1 3.5,92.05 3.5,91.98 3.5,86.25
(no net) on Top: 87.09,41.15 77.91,41.15 77.91,40.15 87.09,40.15
(no net) on Top: 25.5,45.91 25.5,50.09 24.5,50.09 24.5,45.91
(no net) on Top: 41.09,41.15 31.91,41.15 31.91,40.15 41.09,40.15
(no net) on Top: 48.5,31.21 48.5,35.39 47.5,35.39 47.5,31.21
(no net) on Top: 70.5,79.49 70.5,75.31 71.5,75.31 71.5,79.49
(no net) on Top: 64.09,55.85 54.91,55.85 54.91,54.85 64.09,54.85
(no net) on Bottom: 24.5,79.49 24.5,75.31 25.5,75.31 25.5,79.49
(no net) on Bottom: 41.09,41.15 31.91,41.15 31.91,40.15 41.09,40.15
(no net) on Bottom: 8.91,40.15 18.09,40.15 18.09,41.15 8.91,41.15
(no net) on Bottom: 47.5,50.09 47.5,45.91 48.5,45.91 48.5,50.09
(no net) on Bottom: 70.5,64.79 70.5,60.61 71.5,60.61 71.5,64.79
(no net) on Bottom: 25.5,60.61 25.5,64.79 24.5,64.79 24.5,60.61
(no net) on Bottom: 87.09,26.45 77.91,26.45 77.91,25.45 87.09,25.45
(no net) on Bottom: 8.91,25.45 18.09,25.45 18.09,26.45 8.91,26.45
(no net) on Bottom: 70.5,79.49 70.5,75.31 71.5,75.31 71.5,79.49
(no net) on Bottom: 41.09,26.45 31.91,26.45 31.91,25.45 41.09,25.45
(no net) on Bottom: 64.09,26.45 54.91,26.45 54.91,25.45 64.09,25.45
(no net) on Bottom: 8.91,54.85 18.09,54.85 18.09,55.85 8.91,55.85
(no net) on Bottom: 87.09,41.15 77.91,41.15 77.91,40.15 87.09,40.15
(no net) on Bottom: 7.5,86.25 8.91,84.25 18.09,84.25 19.5,86.25 30.5,86.25 31.91,84.25 41.09,84.25 42.5,86.25 53.5,86.25 54.91,84.25 64.09,84.25 65.5,86.25 76.5,86.25 77.91,84.25 87.09,84.25 88.5,86.25 92.5,86.25 92.5,91.98 92.5,92.05 92.49,92.1 92.48,92.14 92.46,92.19 92.44,92.24 92.42,92.28 92.39,92.32 92.35,92.35 92.32,92.39 92.28,92.42 92.24,92.44 92.19,92.46 92.14,92.48 92.1,92.49 92.05,92.5 91.98,92.5 4.02,92.5 3.95,92.5 3.9,92.49 3.86,92.48 3.81,92.46 3.76,92.44 3.72,92.42 3.68,92.39 3.65,92.35 3.61,92.32 3.58,92.28 3.56,92.24 3.54,92.19 3.52,92.14 3.51,92.1 3.5,92.05 3.5,91.98 3.5,86.25
(no net) on Bottom: 48.5,60.61 48.5,64.79 47.5,64.79 47.5,60.61
(no net) on Bottom: 70.5,20.69 70.5,16.51 71.5,16.51 71.5,20.69
(no net) on Bottom: 71.5,45.91 71.5,50.09 70.5,50.09 70.5,45.91
(no net) on Bottom: 47.5,20.69 47.5,16.51 48.5,16.51 48.5,20.69
(no net) on Bottom: 87.09,70.55 77.91,70.55 77.91,69.55 87.09,69.55
(no net) on Bottom: 47.5,79.49 47.5,75.31 48.5,75.31 48.5,79.49
(no net) on Bottom: 64.09,70.55 54.91,70.55 54.91,69.55 64.09,69.55
(no net) on Bottom: 8.91,69.55 18.09,69.55 18.09,70.55 8.91,70.55
(no net) on Bottom: 24.5,20.69 24.5,16.51 25.5,16.51 25.5,20.69
(no net) on Bottom: 7.5,9.75 3.5,9.75 3.5,4.02 3.5,3.95 3.51,3.9 3.52,3.86 3.54,3.81 3.56,3.76 3.58,3.72 3.61,3.68 3.65,3.65 3.68,3.61 3.72,3.58 3.76,3.56 3.81,3.54 3.86,3.52 3.9,3.51 3.95,3.5 4.02,3.5 91.98,3.5 92.05,3.5 92.1,3.51 92.14,3.52 92.19,3.54 92.24,3.56 92.28,3.58 92.32,3.61 92.35,3.65 92.39,3.68 92.42,3.72 92.44,3.76 92.46,3.81 92.48,3.86 92.49,3.9 92.5,3.95 92.5,4.02 92.5,9.75 88.5,9.75 87.09,11.75 77.91,11.75 76.5,9.75 65.5,9.75 64.09,11.75 54.91,11.75 53.5,9.75 42.5,9.75 41.09,11.75 31.91,11.75 30.5,9.75 19.5,9.75 18.09,11.75 8.91,11.75
(no net) on Bottom: 48.5,31.21 48.5,35.39 47.5,35.39 47.5,31.21
(no net) on Bottom: 41.09,55.85 31.91,55.85 31.91,54.85 41.09,54.85
(no net) on Bottom: 41.09,70.55 31.91,70.55 31.91,69.55 41.09,69.55
(no net) on Bottom: 71.5,31.21 71.5,35.39 70.5,35.39 70.5,31.21
(no net) on Bottom: 25.5,45.91 25.5,50.09 24.5,50.09 24.5,45.91
(no net) on Bottom: 25.5,31.21 25.5,35.39 24.5,35.39 24.5,31.21
(no net) on Bottom: 64.09,55.85 54.91,55.85 54.91,54.85 64.09,54.85
(no net) on Bottom: 64.09,41.15 54.91,41.15 54.91,40.15 64.09,40.15
(no net) on Bottom: 87.09,55.85 77.91,55.85 77.91,54.85 87.09,54.85
Board_0-GND on Bottom: 2.39,84.7 25.25,84.7 25.25,69.46 2.39,69.46
Board_1-GND on Bottom: 25.39,84.7 48.25,84.7 48.25,69.46 25.39,69.46
Board_2-GND on Bottom: 48.39,84.7 71.25,84.7 71.25,69.46 48.39,69.46
Board_3-GND on Bottom: 71.39,84.7 94.25,84.7 94.25,69.46 71.39,69.46
Board_4-GND on Bottom: 2.39,70 25.25,70 25.25,54.76 2.39,54.76
Board_5-GND on Bottom: 25.39,70 48.25,70 48.25,54.76 25.39,54.76
Board_6-GND on Bottom: 48.39,70 71.25,70 71.25,54.76 48.39,54.76
Board_7-GND on Bottom: 71.39,70 94.25,70 94.25,54.76 71.39,54.76
Board_8-GND on Bottom: 2.39,55.3 25.25,55.3 25.25,40.06 2.39,40.06
Board_9-GND on Bottom: 25.39,55.3 48.25,55.3 48.25,40.06 25.39,40.06
Board_10-GND on Bottom: 48.39,55.3 71.25,55.3 71.25,40.06 48.39,40.06
Board_11-GND on Bottom: 71.39,55.3 94.25,55.3 94.25,40.06 71.39,40.06
Board_12-GND on Bottom: 2.39,40.6 25.25,40.6 25.25,25.36 2.39,25.36
Board_13-GND on Bottom: 25.39,40.6 48.25,40.6 48.25,25.36 25.39,25.36
Board_14-GND on Bottom: 48.39,40.6 71.25,40.6 71.25,25.36 48.39,25.36
Board_15-GND on Bottom: 71.39,40.6 94.25,40.6 94.25,25.36 71.39,25.36
Board_16-GND on Bottom: 2.39,25.9 25.25,25.9 25.25,10.66 2.39,10.66
Board_17-GND on Bottom: 25.39,25.9 48.25,25.9 48.25,10.66 25.39,10.66
Board_18-GND on Bottom: 48.39,25.9 71.25,25.9 71.25,10.66 48.39,10.66
Board_19-GND on Bottom: 71.39,25.9 94.25,25.9 94.25,10.66 71.39,10.66

Small or netless copper shapes (teardrops, artwork), in the pictures only: 20 on Bottom, 300 on Top

## Text on the board
B.Silkscreen: I2C SHIM Rev 1.0
User.Comments: Rev 1.0
Edge.Cuts: V-CUT
F.Silkscreen: I2C0 | I2C1 | I2C SHIM for Pico | www.slblabs.com | Rev 1.0 | I2C SHIM
